# Altium PCB DIOT_Backplane.pcbdoc (part 8 of 11)
Units mm, origin at the board's own origin, x right, y up, seen from the top; angles counter-clockwise.
Board outline 304.8 x 128.5 mm, 14 copper layers (Top Layer, L2, L3GND, L4, L5GND, L6, L7GND, L8, L9GND, L10, L11GND, L12, L13GND, Bottom Layer), stack 4.06 mm thick; 141 components, 1224 nets, 5318 pads, 471 vias.
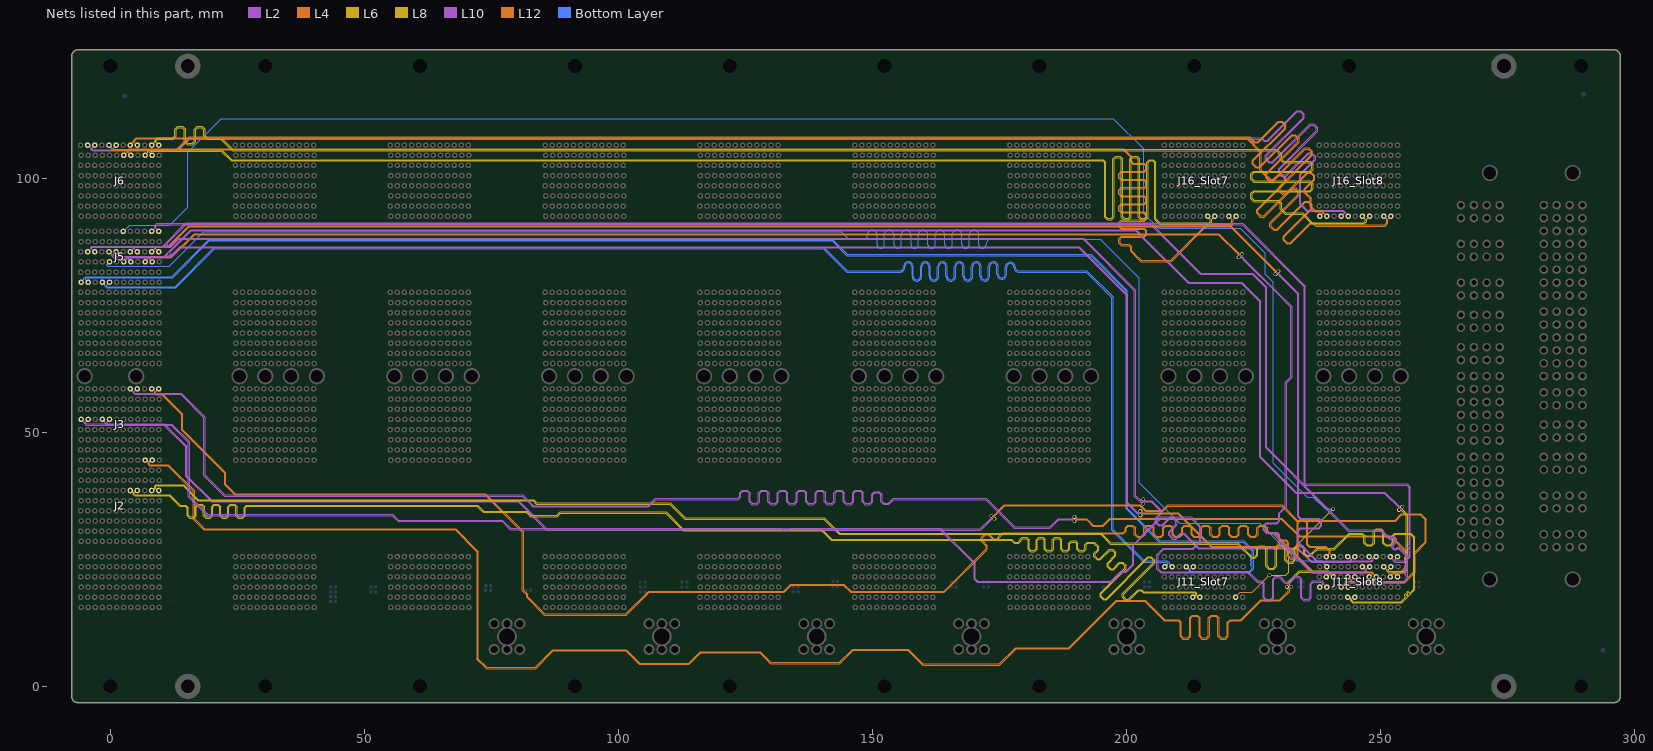
[diagram p20: the nets of this part, all layers, seen from the top]

## Via types
v1: diameter 0.75, hole 0.5, Top Layer to Bottom Layer, tented both sides, 429 vias
v2: diameter 0.85, hole 0.5, Top Layer to Bottom Layer, tented both sides, 32 vias
v3: diameter 1.3, hole 1, Top Layer to Bottom Layer, tented both sides, 10 vias

## Nets (pads, with @x,y where several pads share a name; then routed paths per layer and width w, separated by ;. In a path a pad name is that pad's centre, name@x,y a point inside that pad or via, vN(x,y) a via of type N, cw(c..) or ccw(c..) an arc to the next point about the centre after c; other vN are vias at no path point) (continued)
7_DIFF_13_N: J6.H7 J16_Slot7.K1 | length 290.8
  L12 w0.102: J6.H7@4.02,104.55 3.434,105.135 3.434,105.219 3.834,105.618 3.873,105.618 5.355,105.618 ; 5.356,105.618 6.42,105.618 199.372,105.618 200.14,104.85 200.811,104.179 200.811,103.605 200.811,103.264 201.288,102.787 203.45,102.787 203.793,102.444 203.793,101.758 203.45,101.415 199.002,101.415 198.525,100.938 198.525,100.062 199.002,99.585 203.45,99.585 203.793,99.242 203.793,98.556 203.45,98.213 199.002,98.213 198.525,97.736 198.525,96.86 199.002,96.383 203.45,96.383 203.793,96.04 203.793,95.354 203.45,95.011 199.002,95.011 198.525,94.534 198.525,93.658 199.002,93.181 203.45,93.181 203.793,92.838 203.793,92.152 203.45,91.809 199.002,91.809 198.525,91.332 198.525,90.456 199.002,89.979 203.45,89.979 203.793,89.636 203.793,88.95 203.45,88.607 199.002,88.607 198.525,88.13 198.525,87.254 199.002,86.777 200.468,86.777 200.811,86.434 200.811,86.316 200.811,85.655 202.278,84.188 202.845,83.621 208.811,83.621 215.942,90.752 219.304,90.752 220.692,90.752 220.995,91.055 220.995,91.964 J16_Slot7.K1@221.58,92.55
7_DIFF_13_P: J6.G7 J16_Slot7.J1 | length 290.8
  L12 w0.102: J6.G7@2.62,104.55 3.206,105.136 3.206,105.314 3.739,105.847 6.24,105.847 199.467,105.847 200.14,105.174 201.04,104.274 201.04,103.605 201.04,103.359 201.383,103.016 203.545,103.016 204.022,102.539 204.022,101.663 203.545,101.186 199.097,101.186 198.754,100.843 198.754,100.157 199.097,99.814 203.545,99.814 204.022,99.337 204.022,98.461 203.545,97.984 199.097,97.984 198.754,97.641 198.754,96.955 199.097,96.612 203.545,96.612 204.022,96.135 204.022,95.259 203.545,94.782 199.097,94.782 198.754,94.439 198.754,93.753 199.097,93.41 203.545,93.41 204.022,92.933 204.022,92.057 203.545,91.58 199.097,91.58 198.754,91.237 198.754,90.551 199.097,90.208 203.545,90.208 204.022,89.731 204.022,88.855 203.545,88.378 199.097,88.378 198.754,88.035 198.754,87.349 199.097,87.006 200.563,87.006 201.04,86.529 201.04,86.316 201.04,85.75 202.278,84.512 202.44,84.35 202.94,83.85 208.716,83.85 215.847,90.981 220.597,90.981 220.765,91.15 220.765,91.964 J16_Slot7.J1@220.18,92.55
7_DIFF_14_N: J6.K7 J16_Slot7.H1 | length 293.3
  L8 w0.12: J6.K7@8.22,104.55 7.655,105.115 7.655,105.22 7.798,105.362 21.833,105.362 23.764,103.432 192.84,103.432 192.94,103.432 195.347,103.432 195.695,103.084 195.695,92.358 196.2,91.853 197.119,91.853 197.624,92.358 197.624,103.751 197.972,104.098 198.667,104.098 199.014,103.751 199.014,92.358 199.52,91.853 200.438,91.853 200.944,92.358 200.944,103.751 201.291,104.098 201.986,104.098 202.334,103.751 202.334,92.358 202.839,91.853 203.758,91.853 204.264,92.358 204.264,103.084 204.611,103.432 204.75,103.432 205.158,103.432 205.54,103.05 205.54,91.923 205.974,91.489 206.452,91.011 216.459,91.011 216.815,91.368 216.815,91.985 J16_Slot7.H1@217.38,92.55
7_DIFF_14_P: J6.J7 J16_Slot7.G1 | length 293.3
  L8 w0.12: J6.J7@6.82,104.55 7.385,105.115 7.385,105.332 7.686,105.632 21.945,105.632 23.876,103.702 192.84,103.702 192.94,103.702 195.459,103.702 195.964,103.196 195.964,92.47 196.312,92.123 197.007,92.123 197.354,92.47 197.354,103.862 197.86,104.368 198.779,104.368 199.284,103.862 199.284,92.47 199.632,92.123 200.327,92.123 200.674,92.47 200.674,103.862 201.18,104.368 202.098,104.368 202.604,103.862 202.604,92.47 202.951,92.123 203.646,92.123 203.994,92.47 203.994,103.196 204.499,103.702 204.75,103.702 205.27,103.702 205.81,103.162 205.81,92.035 206.086,91.759 206.564,91.281 216.347,91.281 216.545,91.48 216.545,91.985 J16_Slot7.G1@215.98,92.55
7_DIFF_15_N: J2.I6 J11_Slot7.F2 | length 290.8
  L6 w0.102: J2.I6@5.32,38.55 5.059,38.55 4.735,38.226 4.735,37.842 4.869,37.707 11.683,37.707 13.34,36.05 13.74,35.65 13.923,35.65 14.849,35.65 15.326,35.173 15.326,33.707 15.669,33.364 16.355,33.364 16.698,33.707 16.698,35.381 17.175,35.858 18.051,35.858 18.528,35.381 18.528,33.707 18.871,33.364 19.557,33.364 19.9,33.707 19.9,35.381 20.377,35.858 21.253,35.858 21.73,35.381 21.73,33.707 22.073,33.364 22.759,33.364 23.102,33.707 23.102,35.381 23.579,35.858 24.455,35.858 24.932,35.381 24.932,33.707 25.275,33.364 25.961,33.364 26.304,33.707 26.304,35.173 26.781,35.65 26.994,35.65 72.283,35.65 72.69,35.243 73.479,34.454 81.941,34.454 82.295,34.1 82.745,33.65 87.821,33.65 88.521,34.35 104.514,34.35 109.395,34.35 112.896,30.849 140.121,30.849 142,28.97 177.407,28.97 177.991,28.386 178.375,28.386 178.686,28.386 179.029,28.729 179.029,28.839 179.506,29.316 180.382,29.316 180.859,28.839 180.859,27.088 181.202,26.745 181.888,26.745 182.231,27.088 182.231,28.839 182.708,29.316 183.584,29.316 184.061,28.839 184.061,27.088 184.404,26.745 185.09,26.745 185.433,27.088 185.433,28.839 185.91,29.316 186.786,29.316 187.263,28.839 187.263,27.088 187.606,26.745 188.292,26.745 188.635,27.088 188.635,28.148 189.112,28.625 189.988,28.625 190.465,28.148 190.465,27.088 190.808,26.745 191.494,26.745 191.837,27.088 191.837,27.908 192.314,28.386 192.527,28.386 193.634,28.386 193.863,28.157 194.545,27.475 194.545,26.8 193.82,26.076 193.82,25.591 194.305,25.106 194.79,25.106 196.652,26.967 197.326,26.967 197.946,26.348 197.946,25.673 196.424,24.151 196.424,23.666 196.909,23.181 197.394,23.181 198.631,24.418 199.305,24.418 199.925,23.799 199.925,23.124 195.039,18.238 195.039,17.753 195.524,17.268 196.009,17.268 204.243,25.502 204.918,25.502 205.537,24.883 205.537,24.208 199.427,18.098 199.427,17.613 199.912,17.128 200.397,17.128 202.307,19.038 202.982,19.038 203.133,18.887 203.362,18.658 213.576,18.658 213.894,18.34 213.894,17.874 214.219,17.55 J11_Slot7.F2@214.48,17.55
7_DIFF_15_P: J2.H6 J11_Slot7.E2 | length 290.8
  L6 w0.102: J2.H6@3.92,38.55 4.181,38.55 4.506,38.226 4.506,37.747 4.774,37.478 11.588,37.478 13.016,36.05 13.178,35.888 13.645,35.421 13.923,35.421 14.754,35.421 15.097,35.078 15.097,33.612 15.574,33.135 16.45,33.135 16.927,33.612 16.927,35.286 17.27,35.629 17.956,35.629 18.299,35.286 18.299,33.612 18.776,33.135 19.652,33.135 20.129,33.612 20.129,35.286 20.472,35.629 21.158,35.629 21.501,35.286 21.501,33.612 21.978,33.135 22.854,33.135 23.331,33.612 23.331,35.286 23.674,35.629 24.36,35.629 24.703,35.286 24.703,33.612 25.18,33.135 26.056,33.135 26.533,33.612 26.533,35.078 26.876,35.421 26.994,35.421 72.188,35.421 72.366,35.243 72.528,35.081 73.384,34.225 81.846,34.225 81.971,34.1 82.133,33.938 82.65,33.421 87.916,33.421 88.616,34.121 109.3,34.121 112.801,30.62 140.026,30.62 141.905,28.741 177.312,28.741 177.474,28.579 177.897,28.157 178.375,28.157 178.781,28.157 179.258,28.634 179.258,28.744 179.601,29.087 180.287,29.087 180.63,28.744 180.63,26.994 181.107,26.516 181.983,26.516 182.46,26.994 182.46,28.744 182.803,29.087 183.489,29.087 183.832,28.744 183.832,26.994 184.309,26.516 185.185,26.516 185.662,26.994 185.662,28.744 186.005,29.087 186.691,29.087 187.034,28.744 187.034,26.994 187.511,26.516 188.387,26.516 188.864,26.994 188.864,28.053 189.207,28.396 189.893,28.396 190.236,28.053 190.236,26.994 190.713,26.516 191.589,26.516 192.066,26.994 192.066,27.814 192.409,28.157 192.527,28.157 193.54,28.157 193.701,27.995 194.316,27.38 194.316,26.895 193.591,26.171 193.591,25.496 194.21,24.877 194.885,24.877 196.747,26.738 197.232,26.738 197.717,26.253 197.717,25.768 196.195,24.246 196.195,23.571 196.814,22.952 197.489,22.952 198.726,24.189 199.211,24.189 199.696,23.704 199.696,23.219 194.81,18.333 194.81,17.658 195.429,17.039 196.104,17.039 204.338,25.273 204.823,25.273 205.308,24.788 205.308,24.303 199.198,18.193 199.198,17.518 199.817,16.899 200.492,16.899 202.402,18.809 202.887,18.809 202.971,18.725 203.267,18.429 213.482,18.429 213.666,18.245 213.666,17.874 213.341,17.55 J11_Slot7.E2@213.08,17.55
7_MGT_Rx_N: J5.E1 J11_Slot7.B5 | length 302.2
  Bottom Layer w0.15: J5.E1@-0.18,79.55 -0.754,78.976 -0.754,78.805 -0.639,78.69 11.552,78.69 12.732,78.69 20.464,86.422 140.455,86.422 145.078,81.799 155.214,81.799 155.415,81.799 ccw(c155.415,82.509) 156.125,82.509 156.125,82.616 cw(c157.086,82.616) 157.086,83.577 cw(c157.086,82.616) 158.048,82.616 158.048,80.731 ccw(c158.758,80.731) 158.758,80.021 ccw(c158.758,80.731) 159.468,80.731 159.468,82.616 cw(c160.43,82.616) 160.43,83.577 cw(c160.43,82.616) 161.391,82.616 161.391,80.731 ccw(c162.101,80.731) 162.101,80.021 ccw(c162.101,80.731) 162.811,80.731 162.811,82.616 cw(c163.773,82.616) 163.773,83.577 cw(c163.773,82.616) 164.734,82.616 164.734,80.731 ccw(c165.444,80.731) 165.444,80.021 ccw(c165.444,80.731) 166.154,80.731 166.154,82.616 cw(c167.116,82.616) 167.116,83.577 cw(c167.116,82.616) 168.078,82.616 168.078,80.731 ccw(c168.788,80.731) 168.788,80.021 ccw(c168.788,80.731) 169.498,80.731 169.498,82.616 cw(c170.459,82.616) 170.459,83.577 cw(c170.459,82.616) 171.421,82.616 171.421,80.731 ccw(c172.131,80.731) 172.131,80.021 ccw(c172.131,80.731) 172.841,80.731 172.841,82.616 cw(c173.802,82.616) 173.802,83.577 cw(c173.802,82.616) 174.764,82.616 174.764,81.133 ccw(c175.474,81.133) 175.474,80.423 ccw(c175.474,81.133) 176.184,81.133 176.184,82.509 cw(c177.146,82.509) 177.146,83.471 cw(c177.146,82.509) 178.107,82.509 ccw(c178.817,82.509) 178.817,81.799 183.129,81.799 192.224,81.799 197.376,76.648 197.376,30.852 198.089,30.138 198.101,30.138 203.513,24.726 208.071,24.726 208.395,24.402 208.395,24.104 208.949,23.55 J11_Slot7.B5@208.98,23.55
7_MGT_Rx_P: J5.D1 J11_Slot7.A5 | length 302.2
  Bottom Layer w0.15: J5.D1@-1.58,79.55 -1.006,78.976 -1.006,78.701 -0.743,78.438 11.552,78.438 12.836,78.438 20.569,86.171 140.351,86.171 144.974,81.548 155.214,81.548 155.415,81.548 ccw(c155.415,82.509) 156.376,82.509 156.376,82.616 cw(c157.086,82.616) 157.086,83.326 cw(c157.086,82.616) 157.796,82.616 157.796,80.731 ccw(c158.758,80.731) 158.758,79.77 ccw(c158.758,80.731) 159.72,80.731 159.72,82.616 cw(c160.43,82.616) 160.43,83.326 cw(c160.43,82.616) 161.14,82.616 161.14,80.731 ccw(c162.101,80.731) 162.101,79.77 ccw(c162.101,80.731) 163.063,80.731 163.063,82.616 cw(c163.773,82.616) 163.773,83.326 cw(c163.773,82.616) 164.483,82.616 164.483,80.731 ccw(c165.444,80.731) 165.444,79.77 ccw(c165.444,80.731) 166.406,80.731 166.406,82.616 cw(c167.116,82.616) 167.116,83.326 cw(c167.116,82.616) 167.826,82.616 167.826,80.731 ccw(c168.788,80.731) 168.788,79.77 ccw(c168.788,80.731) 169.749,80.731 169.749,82.616 cw(c170.459,82.616) 170.459,83.326 cw(c170.459,82.616) 171.169,82.616 171.169,80.731 ccw(c172.131,80.731) 172.131,79.77 ccw(c172.131,80.731) 173.092,80.731 173.092,82.616 cw(c173.802,82.616) 173.802,83.326 cw(c173.802,82.616) 174.512,82.616 174.512,81.133 ccw(c175.474,81.133) 175.474,80.171 ccw(c175.474,81.133) 176.436,81.133 176.436,82.509 cw(c177.146,82.509) 177.146,83.219 cw(c177.146,82.509) 177.856,82.509 ccw(c178.817,82.509) 178.817,81.548 183.129,81.548 192.12,81.548 197.124,76.544 197.124,30.748 197.911,29.96 203.33,24.542 203.398,24.474 207.967,24.474 208.144,24.298 208.144,24.082 207.611,23.55 J11_Slot7.A5@207.58,23.55
7_MGT_Tx_N: J5.B1 J11_Slot7.E5 | length 302.6
  Bottom Layer w0.15: J5.B1@-4.38,79.55 -4.954,80.124 -4.954,80.244 -4.779,80.419 11.704,80.419 12.227,80.419 19.479,87.672 142.054,87.672 144.95,84.776 192.938,84.776 199.946,77.768 199.946,34.962 206.496,28.411 222.981,28.411 224.785,26.608 224.785,26.538 224.785,26.059 cw(c224.583,26.059) 224.583,25.857 224.479,25.857 ccw(c224.479,25.655) 224.277,25.655 ccw(c224.479,25.655) 224.479,25.453 224.583,25.453 cw(c224.583,25.251) 224.785,25.251 cw(c224.583,25.251) 224.583,25.049 224.544,25.049 ccw(c224.544,24.847) 224.342,24.847 ccw(c224.544,24.847) 224.544,24.645 224.583,24.645 cw(c224.583,24.443) 224.785,24.443 cw(c224.583,24.443) 224.583,24.241 ccw(c224.583,24.039) 224.381,24.039 ccw(c224.583,24.039) 224.583,23.837 cw(c224.583,23.635) 224.785,23.635 224.785,23.218 ; J11_Slot7.E5@213.18,23.55 213.104,23.55 212.606,23.052 212.606,22.789 212.694,22.701 224.281,22.701 224.785,23.205
7_MGT_Tx_P: J5.A1 J11_Slot7.D5 | length 302.7
  Bottom Layer w0.15: J5.A1@-5.78,79.55 -5.206,80.124 -5.206,80.349 -4.884,80.671 11.704,80.671 12.122,80.671 19.375,87.923 142.159,87.923 145.054,85.028 193.042,85.028 200.197,77.873 200.197,35.066 206.601,28.663 223.085,28.663 225.036,26.712 225.036,26.538 225.036,24.093 225.036,23.1 224.385,22.449 212.589,22.449 212.354,22.685 212.354,23.052 211.856,23.55 J11_Slot7.D5@211.78,23.55
7_SERVMOD: J5.G6 J11_Slot7.K2 | length 344.9
  L8 w0.102: v1(228.166,21.855) 231.386,21.855 231.973,22.442 231.973,26.17 v1(240.734,34.931)
  L12 w0.102: J11_Slot7.K2@221.48,17.55 222.407,18.477 224.787,18.477 v1(228.166,21.855)
  Bottom Layer w0.102: J5.G6@2.52,89.55 3.761,90.791 11.661,90.791 15.22,94.35 15.22,105.15 21.82,111.75 197.452,111.75 203.42,105.782 203.42,93.05 206.32,90.15 222.42,90.15 227.32,85.25 227.32,81.146 228.914,79.552 228.914,43.89 235.554,37.25 236.82,37.25 239.139,34.931 v1(240.734,34.931)
8_CLK_N: J5.L6 J11_Slot8.F4 | length 318
  L2 w0.102: J5.L6@9.52,89.55 8.934,90.136 8.934,90.589 9.24,90.895 9.831,90.895 222.775,90.895 234.991,78.679 234.991,39.255 243.673,30.574 250.111,30.574 250.929,29.757 251.045,29.64 ; J11_Slot8.F4@244.96,21.55 244.374,20.964 244.374,20.743 244.481,20.637 254.704,20.637 255.112,21.045 255.112,21.373 255.112,21.765 ccw(c254.934,21.765) 254.934,21.943 cw(c254.934,22.121) 254.756,22.121 cw(c254.934,22.121) 254.934,22.299 ccw(c254.934,22.477) 255.112,22.477 ccw(c254.934,22.477) 254.934,22.655 254.922,22.655 cw(c254.922,22.833) 254.744,22.833 cw(c254.922,22.833) 254.922,23.011 254.934,23.011 ccw(c254.934,23.189) 255.112,23.189 ccw(c254.934,23.189) 254.934,23.367 254.823,23.367 cw(c254.823,23.545) 254.645,23.545 cw(c254.823,23.545) 254.823,23.723 254.934,23.723 ccw(c254.934,23.901) 255.112,23.901 255.112,24.308 255.112,25.573 253.801,26.884 253.685,27 ccw(c253.47,26.788) 253.256,27.001 cw(c252.88,27.377) 252.504,27.002 252.322,27.184 cw(c252.697,27.561) 252.322,27.937 252.91,28.525 ; 251.046,29.639 251.548,29.138 ccw(c251.924,29.513) 252.3,29.137 cw(c252.514,28.923) 252.729,29.136 252.91,28.955 cw(c252.697,28.74) 252.911,28.526
8_CLK_P: J5.K6 J11_Slot8.E4 | length 318
  L2 w0.102: J5.K6@8.12,89.55 8.706,90.136 8.706,90.684 9.145,91.123 9.736,91.123 222.87,91.124 235.22,78.773 235.22,39.35 243.767,30.803 250.016,30.803 250.206,30.803 251.091,29.919 251.207,29.802 ; J11_Slot8.E4@243.56,21.55 244.145,20.964 244.145,20.648 244.386,20.408 254.799,20.408 255.341,20.95 255.341,25.668 253.963,27.046 253.846,27.163 ccw(c253.47,26.788) 253.845,27.164 253.812,27.197 253.809,27.197 ccw(c253.47,26.788) 253.095,27.164 ; 251.208,29.801 251.71,29.299 ccw(c251.924,29.513) 252.138,29.298 cw(c252.514,28.923) 252.853,29.332 252.856,29.332 252.889,29.3 cw(c252.514,28.923) 252.89,29.298 253.072,29.116 ; 252.484,27.346 cw(c252.697,27.561) 252.483,27.774 253.073,28.364 ccw(c252.697,28.74) 253.106,29.079 253.106,29.082 253.074,29.115 ccw(c252.697,28.74) 253.072,29.116 ; 252.484,27.346 252.666,27.164 ; 252.666,27.164 ccw(c252.88,27.377) 253.095,27.164
8_DIFF_0_N: J3.B5 J11_Slot8.E3 | length 309.3
  L10 w0.102: J3.B5@-4.38,52.55 -4.965,51.965 -4.965,51.844 -4.784,51.662 10.634,51.662 13.65,48.645 ; 13.644,48.651 15.057,47.239 15.057,41.492 20.01,36.539 80.342,36.539 85.878,31.002 171.247,31.002 173.38,33.135 173.38,33.593 v1@173.39,33.603
  L12 w0.102: v1@173.39,33.603 173.4,33.613 173.858,33.613 175.995,35.75 202.744,35.75 203.844,34.65 207.053,34.65 208.125,35.722 230.656,35.722 233.637,32.741 252.883,32.741 254.121,33.979 257.935,33.979 258.502,33.412 259.069,32.845 259.069,28.379 256.84,26.15 256.84,22.446 254.829,20.436 243.287,20.436 243.074,20.223 243.074,20.135 J11_Slot8.E3@243.66,19.55
  other v1: 173.397,33.574
8_DIFF_0_P: J3.A5 J11_Slot8.D3 | length 309.3
  L10 w0.102: J3.A5@-5.78,52.55 -5.195,51.965 -5.195,51.749 -4.879,51.433 10.539,51.433 14.828,47.144 14.828,41.397 19.915,36.31 80.247,36.31 85.783,30.773 171.342,30.773 173.542,32.973 174,32.973 v1(174.01,32.983)
  L12 w0.102: v1(174.01,32.983) 174.02,32.993 174.02,33.451 176.09,35.521 202.649,35.521 203.482,34.688 203.749,34.421 207.148,34.421 208.22,35.493 230.561,35.493 233.542,32.512 252.978,32.512 254.216,33.75 257.84,33.75 258.178,33.412 258.34,33.25 258.84,32.75 258.84,28.474 256.611,26.245 256.611,22.541 254.734,20.665 243.193,20.665 242.846,20.317 242.846,20.135 J11_Slot8.D3@242.26,19.55
8_DIFF_1_N: J3.E5 J11_Slot8.B3 | length 310.9
  L2 w0.102: J3.E5@-0.18,52.55 -0.766,51.965 -0.766,51.885 -0.491,51.611 8.707,51.611 12.119,51.611 15.59,48.14 15.59,37.447 19.191,33.847 55.563,33.847 56.706,32.704 77.179,32.704 78.804,31.078 132.132,31.078 ccw(c132.509,31.699) 132.872,31.071 133.025,31.071 ccw(c133.36,31.715) 133.709,31.078 163.366,31.078 170.251,24.193 170.251,21.222 170.774,20.7 196.928,20.7 197.797,21.569 198.893,22.665 199.85,22.665 201.211,24.026 201.211,27.821 206.74,33.35 212.74,33.35 214.669,31.421 214.669,28.479 213.14,26.95 207.34,26.95 206.24,25.85 206.24,23.15 206.823,22.567 224.023,22.567 224.945,21.645 225.827,20.763 226.15,20.763 226.6,20.763 227.14,20.222 227.14,17.506 227.547,17.099 228.36,17.099 228.766,17.506 228.766,21.107 229.307,21.648 230.31,21.648 230.85,21.107 230.85,20.959 231.257,20.552 232.07,20.552 232.476,20.959 232.476,21.107 233.017,21.648 234.02,21.648 234.56,21.107 234.56,17.506 234.967,17.099 235.78,17.099 236.186,17.506 236.186,20.222 236.727,20.763 236.94,20.763 238.459,20.763 238.875,20.348 238.875,20.136 J11_Slot8.B3@239.46,19.55
8_DIFF_1_P: J3.D5 J11_Slot8.A3 | length 310.9
  L2 w0.102: J3.D5@-1.58,52.55 -0.994,51.965 -0.994,51.791 -0.586,51.382 12.024,51.382 15.361,48.046 15.361,37.352 19.096,33.618 55.469,33.618 56.612,32.475 77.084,32.475 78.201,31.357 78.363,31.195 78.71,30.849 132.073,30.849 ccw(c132.509,31.699) 132.91,30.832 cw(c132.952,30.74) 132.993,30.833 132.996,30.832 ccw(c133.36,31.715) 133.764,30.849 163.271,30.849 170.022,24.098 170.022,21.128 170.679,20.471 197.023,20.471 197.959,21.407 198.987,22.435 199.85,22.435 199.945,22.436 201.44,23.931 201.44,27.726 206.835,33.121 212.645,33.121 214.44,31.326 214.44,28.574 213.045,27.179 207.245,27.179 206.011,25.945 206.011,23.055 206.631,22.435 206.728,22.338 223.928,22.338 224.716,21.55 225.732,20.534 226.15,20.534 226.505,20.534 226.911,20.127 226.911,17.411 227.452,16.87 228.455,16.87 228.995,17.411 228.995,21.012 229.402,21.419 230.215,21.419 230.621,21.012 230.621,20.864 231.162,20.323 232.165,20.323 232.705,20.864 232.705,21.012 233.112,21.419 233.925,21.419 234.331,21.012 234.331,17.411 234.872,16.87 235.875,16.87 236.415,17.411 236.415,20.127 236.822,20.534 236.94,20.534 238.364,20.534 238.645,20.253 238.645,20.136 J11_Slot8.A3@238.06,19.55
8_DIFF_2_N: J3.K1 J11_Slot8.C4 | length 307.9
  L8 w0.12: v1@231.564,19.602 231.564,19.668 231.863,19.967 231.863,20.593 233.499,22.229 ; 233.499,22.229 233.99,22.72 239.778,22.72 240.195,22.303 240.195,21.95 240.595,21.55 J11_Slot8.C4@240.76,21.55
  L12 w0.102: J3.K1@8.22,44.55 7.959,44.55 7.635,44.226 7.635,43.79 7.774,43.651 11.393,43.651 16.556,38.488 16.556,32.957 17.843,31.67 18.486,31.027 67.933,31.027 72.435,26.525 72.435,5.348 73.875,3.908 74.061,3.722 83.586,3.722 87.117,7.253 101.512,7.253 104.204,4.56 113.863,4.56 116.149,6.847 127.877,6.847 130.011,4.713 143.505,4.713 146.096,7.304 157.061,7.304 159.957,4.408 175.001,4.408 178.201,7.609 188.641,7.609 198.013,16.981 203.721,16.981 207.557,13.146 208.204,13.146 210.272,13.146 210.813,12.605 210.813,9.944 211.22,9.537 212.033,9.537 212.439,9.944 212.439,13.485 212.98,14.025 213.982,14.025 214.523,13.485 214.523,9.944 214.93,9.537 215.743,9.537 216.149,9.944 216.149,13.485 216.69,14.025 217.692,14.025 218.233,13.485 218.233,9.944 218.64,9.537 219.453,9.537 219.859,9.944 219.859,12.605 220.4,13.146 222.349,13.146 222.48,13.146 226.417,17.083 230.221,17.083 231.884,18.746 231.884,19.259 231.56,19.583 v1@231.56,19.597
  other v1: 231.585,19.582
8_DIFF_2_P: J3.J1 J11_Slot8.B4 | length 307.7
  L8 w0.12: v1(232.437,19.597) 232.133,19.901 232.133,20.481 233.611,21.959 234.102,22.45 239.666,22.45 239.925,22.191 239.925,21.95 239.525,21.55 J11_Slot8.B4@239.36,21.55
  L12 w0.102: J3.J1@6.82,44.55 7.081,44.55 7.406,44.226 7.406,43.695 7.679,43.422 11.298,43.422 12.796,41.924 12.958,41.762 16.327,38.393 16.327,32.862 17.614,31.575 18.391,30.798 67.838,30.798 71.607,27.03 72.206,26.43 72.206,5.253 73.646,3.813 73.966,3.493 83.681,3.493 87.212,7.024 101.417,7.024 102.687,5.754 102.849,5.592 104.11,4.331 113.958,4.331 116.244,6.618 127.782,6.618 129.001,5.399 129.163,5.237 129.916,4.484 143.599,4.484 146.191,7.075 156.967,7.075 158.846,5.195 159.008,5.033 159.863,4.179 175.095,4.179 178.296,7.38 188.736,7.38 198.108,16.752 203.626,16.752 205.608,14.771 205.77,14.609 207.462,12.917 208.204,12.917 210.178,12.917 210.584,12.51 210.584,9.849 211.125,9.308 212.127,9.308 212.668,9.849 212.668,13.39 213.075,13.796 213.888,13.796 214.294,13.39 214.294,9.849 214.835,9.308 215.837,9.308 216.378,9.849 216.378,13.39 216.785,13.796 217.598,13.796 218.004,13.39 218.004,9.849 218.545,9.308 219.547,9.308 220.088,9.849 220.088,12.51 220.495,12.917 222.349,12.917 222.574,12.917 226.512,16.854 230.315,16.854 232.113,18.651 232.113,19.259 232.437,19.583 v1(232.437,19.597)
8_DIFF_3_N: J3.I8 J11_Slot8.L4 | length 313.3
  L2 w0.102: J3.I8@5.32,58.55 4.734,57.965 4.734,57.841 4.893,57.682 13.897,57.682 18.638,52.941 18.638,41.543 22.499,37.682 81.192,37.682 83.275,35.599 105.865,35.599 107.245,36.979 123.336,36.979 123.454,36.979 123.861,37.385 123.861,38.064 124.401,38.605 125.404,38.605 125.945,38.064 125.945,36.431 126.351,36.025 127.164,36.025 127.571,36.431 127.571,38.064 128.111,38.605 129.114,38.605 129.655,38.064 129.655,36.431 130.061,36.025 130.874,36.025 131.281,36.431 131.281,38.064 131.821,38.605 132.824,38.605 133.365,38.064 133.365,36.431 133.771,36.025 134.584,36.025 134.991,36.431 134.991,38.064 135.531,38.605 136.534,38.605 137.075,38.064 137.075,36.431 137.481,36.025 138.294,36.025 138.701,36.431 138.701,38.064 139.241,38.605 140.244,38.605 140.785,38.064 140.785,36.431 141.191,36.025 142.004,36.025 142.411,36.431 142.411,38.064 142.951,38.605 143.954,38.605 144.495,38.064 144.495,36.431 144.901,36.025 145.714,36.025 146.121,36.431 146.121,38.064 146.661,38.605 147.664,38.605 148.205,38.064 148.205,36.431 148.611,36.025 149.424,36.025 149.831,36.431 149.831,37.795 150.371,38.336 151.374,38.336 151.915,37.795 151.915,36.438 152.321,36.032 153.134,36.032 153.541,36.438 154.081,36.979 156.379,36.979 172.391,36.979 176.22,33.15 177.987,31.383 184.932,31.383 186.577,33.028 189.42,33.028 189.744,33.352 v1(189.758,33.352)
  L12 w0.102: v1(189.758,33.352) 189.772,33.352 190.096,33.028 192.221,33.028 193.511,31.738 195.321,31.738 196.699,33.117 230.619,33.117 234.096,29.64 252.086,29.64 255.255,26.472 255.255,23.425 254.215,22.386 252.937,22.386 252.775,22.223 252.775,22.136 J11_Slot8.L4@253.36,21.55
8_DIFF_3_P: J3.H8 J11_Slot8.K4 | length 313.3
  L2 w0.102: J3.H8@3.92,58.55 4.506,57.965 4.506,57.746 4.799,57.453 13.803,57.453 18.409,52.846 18.409,41.448 22.404,37.453 81.097,37.453 82.503,36.047 83.18,35.37 105.96,35.37 107.34,36.75 123.336,36.75 123.549,36.75 124.09,37.291 124.09,37.969 124.496,38.376 125.309,38.376 125.716,37.969 125.716,36.337 126.256,35.796 127.259,35.796 127.8,36.337 127.8,37.969 128.206,38.376 129.019,38.376 129.426,37.969 129.426,36.337 129.966,35.796 130.969,35.796 131.51,36.337 131.51,37.969 131.916,38.376 132.729,38.376 133.136,37.969 133.136,36.337 133.676,35.796 134.679,35.796 135.22,36.337 135.22,37.969 135.626,38.376 136.439,38.376 136.846,37.969 136.846,36.337 137.386,35.796 138.389,35.796 138.93,36.337 138.93,37.969 139.336,38.376 140.149,38.376 140.556,37.969 140.556,36.337 141.096,35.796 142.099,35.796 142.64,36.337 142.64,37.969 143.046,38.376 143.859,38.376 144.266,37.969 144.266,36.337 144.806,35.796 145.809,35.796 146.35,36.337 146.35,37.969 146.756,38.376 147.569,38.376 147.976,37.969 147.976,36.337 148.516,35.796 149.519,35.796 150.06,36.337 150.06,37.701 150.466,38.107 151.279,38.107 151.686,37.701 151.686,36.343 152.226,35.803 153.229,35.803 153.77,36.343 154.176,36.75 156.379,36.75 172.296,36.75 175.896,33.15 176.058,32.988 177.892,31.154 185.027,31.154 186.672,32.799 189.42,32.799 189.744,32.475 v1@189.758,32.475
  L12 w0.102: v1@189.772,32.475 190.096,32.799 192.126,32.799 192.273,32.653 193.416,31.509 195.415,31.509 196.794,32.888 230.525,32.888 234.001,29.411 251.991,29.411 255.025,26.377 255.025,23.52 254.12,22.615 252.843,22.615 252.545,22.317 252.545,22.136 J11_Slot8.K4@251.96,21.55
  other v1: 189.774,32.5
8_DIFF_4_N: J3.L8 J11_Slot8.I4 | length 308.9
  L12 w0.102: J3.L8@9.52,58.55 8.934,57.964 8.934,57.704 8.994,57.644 10.18,57.644 14.253,53.571 14.253,50.5 22.702,42.051 22.702,39.79 24.531,37.961 73.782,37.961 81.326,30.417 81.326,18.936 82.163,18.099 82.163,17.61 85.509,14.265 101.493,14.265 105.943,18.715 132.513,18.715 133.942,20.144 144.39,20.144 145.819,18.715 164.093,18.715 172.333,26.955 172.416,27.038 172.416,27.613 171.469,28.56 171.469,29.324 172.179,30.033 172.943,30.033 173.89,29.087 174.465,29.087 175.304,29.926 175.628,30.25 199.204,30.25 199.323,30.25 199.729,30.656 199.729,31.18 200.27,31.721 201.272,31.721 201.813,31.18 201.813,29.959 202.22,29.553 203.033,29.553 203.439,29.959 203.439,31.18 203.98,31.721 204.982,31.721 205.523,31.18 205.523,29.959 205.93,29.553 206.743,29.553 207.149,29.959 207.149,31.18 207.69,31.721 208.692,31.721 209.233,31.18 209.233,29.959 209.64,29.553 210.453,29.553 210.859,29.959 210.859,31.18 211.4,31.721 212.402,31.721 212.943,31.18 212.943,29.959 213.35,29.553 214.163,29.553 214.569,29.959 214.569,31.18 215.11,31.721 216.112,31.721 216.653,31.18 216.653,29.959 217.059,29.553 217.873,29.553 218.279,29.959 218.279,31.18 218.82,31.721 219.822,31.721 220.363,31.18 220.363,29.959 220.769,29.553 221.582,29.553 221.989,29.959 221.989,31.18 222.53,31.721 223.532,31.721 224.073,31.18 224.073,29.959 224.479,29.553 225.292,29.553 225.699,29.959 225.699,31.18 226.24,31.721 227.242,31.721 227.783,31.18 227.783,30.656 228.189,30.25 229.052,30.25 229.099,30.203 236.733,22.569 248.381,22.569 248.574,22.375 248.574,22.136 J11_Slot8.I4@249.16,21.55
8_DIFF_4_P: J3.K8 J11_Slot8.H4 | length 308.9
  L12 w0.102: J3.K8@8.12,58.55 8.705,57.965 8.705,57.609 8.899,57.415 10.085,57.415 14.024,53.476 14.024,50.405 22.473,41.956 22.473,39.695 24.436,37.732 73.687,37.732 81.097,30.322 81.097,18.842 81.934,18.004 81.934,17.515 85.414,14.036 101.587,14.036 106.037,18.486 132.608,18.486 134.037,19.915 144.295,19.915 145.724,18.486 164.187,18.486 172.495,26.793 172.645,26.943 172.645,27.708 171.698,28.655 171.698,29.229 172.273,29.804 172.848,29.804 173.795,28.858 174.56,28.858 175.466,29.764 175.723,30.021 199.204,30.021 199.417,30.021 199.958,30.562 199.958,31.085 200.365,31.492 201.178,31.492 201.584,31.085 201.584,29.864 202.125,29.324 203.127,29.324 203.668,29.864 203.668,31.085 204.075,31.492 204.888,31.492 205.294,31.085 205.294,29.864 205.835,29.324 206.837,29.324 207.378,29.864 207.378,31.085 207.785,31.492 208.598,31.492 209.004,31.085 209.004,29.864 209.545,29.324 210.547,29.324 211.088,29.864 211.088,31.085 211.495,31.492 212.308,31.492 212.714,31.085 212.714,29.864 213.255,29.324 214.257,29.324 214.798,29.864 214.798,31.085 215.205,31.492 216.018,31.492 216.424,31.085 216.424,29.864 216.965,29.324 217.967,29.324 218.508,29.864 218.508,31.085 218.914,31.492 219.728,31.492 220.134,31.085 220.134,29.864 220.675,29.324 221.677,29.324 222.218,29.864 222.218,31.085 222.624,31.492 223.437,31.492 223.844,31.085 223.844,29.864 224.385,29.324 225.387,29.324 225.928,29.864 225.928,31.085 226.334,31.492 227.147,31.492 227.554,31.085 227.554,30.562 228.095,30.021 228.957,30.021 229.099,29.879 236.254,22.724 236.638,22.34 248.286,22.34 248.346,22.28 248.346,22.136 J11_Slot8.H4@247.76,21.55
8_DIFF_5_N: J5.H3 J11_Slot8.K5 | length 313.3
  L8 w0.12: J11_Slot8.K5@252.06,23.55 251.495,22.985 251.495,22.839 251.683,22.65 254.594,22.65 255.135,23.191 255.135,23.675 255.135,24.07 ccw(c254.948,24.07) 254.948,24.257 cw(c254.948,24.444) 254.948,24.631 ; v1@253.628,34.72 253.667,34.68 254.113,34.68 255.135,33.658 255.135,26 255.135,25.566 cw(c254.948,25.566) 254.948,25.379 254.898,25.379 ccw(c254.898,25.192) 254.898,25.005 254.948,25.005 cw(c254.948,24.818) 254.948,24.631
  L10 w0.102: J5.H3@4.02,83.55 3.434,84.136 3.434,84.213 3.674,84.453 10.409,84.453 10.672,84.453 10.895,84.675 11.182,84.963 cw(c11.308,84.837) 11.434,84.963 11.542,84.856 ccw(c11.667,84.982) 11.793,84.856 ccw(c11.667,84.982) 11.793,85.107 11.686,85.215 cw(c11.812,85.341) 11.686,85.467 11.895,85.675 15.895,89.676 201.794,89.676 203.72,87.75 212.149,79.321 222.637,79.321 226.22,75.738 226.22,45.126 233.325,38.021 250.801,38.021 253.611,35.211 253.611,34.736 v1@253.628,34.72
  other v1: 253.673,34.743
8_DIFF_5_P: J5.G3 J11_Slot8.J5 | length 313.3
  L8 w0.12: J11_Slot8.J5@250.66,23.55 251.225,22.985 251.225,22.727 251.571,22.38 254.706,22.38 255.405,23.079 255.405,33.77 254.304,34.871 254.304,35.317 v1(254.265,35.356)
  L10 w0.102: J5.G3@2.62,83.55 3.206,84.136 3.206,84.308 3.579,84.682 10.577,84.682 15.8,89.905 201.889,89.905 204.044,87.75 212.244,79.55 222.732,79.55 226.449,75.833 226.449,45.221 233.42,38.25 250.896,38.25 253.79,35.356 v1(254.265,35.356)
8_DIFF_6_N: J5.K3 J11_Slot8.H5 | length 307
  L2 w0.102: v1(222.092,84.483) 222.12,84.455 222.561,84.455 223.233,83.783 229.355,77.66 232.391,74.625 232.391,60.921 231.29,59.82 231.29,35.42 229.991,34.121 229.991,33.245 229.991,32.644 229.585,32.237 227.48,32.237 226.94,31.697 226.94,30.695 227.48,30.155 229.585,30.155 229.991,29.748 229.991,29.63 229.991,28.755 231.891,26.855 233.758,24.988 236.411,22.335 246.883,22.335 247.275,22.727 247.275,23.226 247.599,23.55 J11_Slot8.H5@247.86,23.55
  L4 w0.102: J5.K3@8.22,83.55 7.635,84.136 7.635,84.248 7.814,84.428 9.647,84.428 12.114,84.428 16.599,88.913 218.102,88.913 222.065,84.951 222.065,84.511 v1(222.092,84.483)
8_DIFF_6_P: J5.J3 J11_Slot8.G5 | length 307
  L2 w0.102: v1(222.695,85.085) 222.722,85.058 222.722,84.617 223.327,84.012 229.517,77.822 232.62,74.719 232.62,60.827 231.519,59.726 231.519,35.326 230.22,34.027 230.22,33.245 230.22,32.549 229.68,32.009 227.575,32.009 227.169,31.602 227.169,30.79 227.575,30.383 229.68,30.383 230.22,29.843 230.22,29.63 230.22,28.85 232.12,26.95 233.758,25.312 233.92,25.15 236.506,22.564 246.788,22.564 247.046,22.822 247.046,23.226 246.721,23.55 J11_Slot8.G5@246.46,23.55
  L4 w0.102: J5.J3@6.82,83.55 7.405,84.136 7.405,84.343 7.72,84.657 12.019,84.657 16.505,89.142 218.197,89.142 222.226,85.113 222.667,85.113 v1(222.695,85.085)
8_DIFF_7_N: J5.C4 J11_Slot8.F6 | length 309.5
  L2 w0.102: J5.C4@-3.08,85.55 -3.665,86.135 -3.665,86.308 -3.565,86.409 11.018,86.409 11.911,86.409 13.475,87.974 191.46,87.974 201.591,77.843 201.591,37.46 202.79,36.261 202.969,36.261 203.281,35.95 v1(203.32,35.95)
  L10 w0.102: v1(203.32,35.95) 203.356,35.95 203.711,36.305 204.918,36.305 206.212,35.012 206.296,34.928 206.612,34.612 206.612,34.037 205.665,33.09 205.665,32.326 206.374,31.617 207.139,31.617 208.586,33.064 209.161,33.064 209.736,32.489 209.736,31.914 208.289,30.467 208.289,29.702 208.998,28.993 209.762,28.993 210.709,29.94 211.284,29.94 211.367,29.856 214.134,27.09 233.675,27.09 236.342,24.423 244.056,24.423 244.374,24.741 244.374,24.99 244.935,25.55 J11_Slot8.F6@244.96,25.55
8_DIFF_7_P: J5.B4 J11_Slot8.E6 | length 309.5
  L2 w0.102: J5.B4@-4.48,85.55 -3.895,86.135 -3.895,86.403 -3.66,86.638 11.816,86.638 13.38,88.203 191.555,88.203 201.82,77.938 201.82,37.555 202.885,36.49 202.969,36.49 203.281,36.802 v1(203.32,36.802)
  L10 w0.102: v1(203.32,36.802) 203.441,36.802 203.709,36.534 205.013,36.534 206.374,35.173 206.458,35.09 206.841,34.707 206.841,33.942 205.894,32.995 205.894,32.42 206.469,31.846 207.044,31.846 208.491,33.293 209.256,33.293 209.965,32.584 209.965,31.819 208.518,30.372 208.518,29.797 209.093,29.222 209.667,29.222 210.614,30.169 211.379,30.169 211.446,30.102 211.529,30.018 214.229,27.319 233.77,27.319 236.437,24.652 243.927,24.652 244.145,24.87 244.145,24.99 243.585,25.55 J11_Slot8.E6@243.56,25.55
8_DIFF_8_N: J5.F4 J11_Slot8.C6 | length 307.2
  L2 w0.102: J5.F4@1.12,85.55 0.534,84.965 0.534,84.866 0.753,84.648 10.409,84.648 11.756,84.647 13.685,86.577 190.742,86.577 200.299,77.02 200.299,36.126 202.24,34.185 202.402,34.185 202.713,34.497 v1(202.752,34.497)
  L4 w0.102: v1(202.752,34.497) 202.792,34.497 203.103,34.185 210.197,34.185 214.472,29.91 216.809,27.573 229.388,27.573 229.506,27.573 229.912,27.98 229.912,28.306 230.453,28.846 231.456,28.846 231.996,28.306 231.996,25.694 232.403,25.287 233.216,25.287 233.622,25.694 233.622,32.245 234.163,32.786 235.166,32.786 235.706,32.245 235.706,27.98 236.113,27.573 237.388,27.573 239.253,27.573 240.174,26.652 240.174,26.136 J11_Slot8.C6@240.76,25.55
8_DIFF_8_P: J5.E4 J11_Slot8.B6 | length 307.2
  L2 w0.102: J5.E4@-0.28,85.55 0.306,84.965 0.306,84.771 0.658,84.419 11.851,84.419 13.78,86.348 190.647,86.348 192.384,84.612 200.07,76.925 200.07,36.031 202.145,33.956 202.402,33.956 202.713,33.645 v1(202.752,33.645)
  L4 w0.102: v1(202.752,33.645) 202.792,33.645 203.103,33.956 210.102,33.956 214.148,29.91 214.31,29.748 216.714,27.344 229.388,27.344 229.601,27.344 230.141,27.885 230.141,28.211 230.548,28.617 231.361,28.617 231.767,28.211 231.767,25.599 232.308,25.058 233.311,25.058 233.851,25.599 233.851,32.15 234.258,32.557 235.071,32.557 235.477,32.15 235.477,27.885 236.018,27.344 237.388,27.344 239.158,27.344 239.945,26.557 239.945,26.136 J11_Slot8.B6@239.36,25.55
8_DIFF_9_N: J5.I4 J11_Slot8.L6 | length 313.2
  L10 w0.102: J5.I4@5.32,85.55 4.734,86.135 4.734,86.25 4.919,86.434 10.383,86.434 10.43,86.481 10.718,86.769 cw(c10.844,86.643) 10.97,86.769 10.973,86.766 ccw(c11.098,86.892) 11.224,86.766 ccw(c11.098,86.892) 11.224,87.018 11.221,87.021 cw(c11.347,87.147) 11.221,87.273 11.709,87.761 14.945,90.997 204.673,90.997 208.62,87.05 214.549,81.121 224.749,81.121 225.72,80.15 227.42,78.45 227.42,46.926 230.658,43.688 234.725,39.621 255.205,39.621 255.684,39.143 255.684,36.768 255.683,28.138 255.678,28.088 255.661,28.04 255.634,27.998 255.599,27.962 255.556,27.935 255.509,27.919 255.459,27.913 255.434,27.913 255.384,27.907 255.336,27.891 255.293,27.864 255.258,27.828 255.231,27.786 255.214,27.738 255.209,27.688 255.214,27.638 255.231,27.59 255.258,27.548 255.293,27.512 255.336,27.485 255.384,27.469 255.434,27.463 255.459,27.463 255.509,27.457 255.556,27.441 255.599,27.414 255.634,27.378 255.661,27.336 255.678,27.288 255.683,27.238 255.678,27.188 255.661,27.14 255.634,27.098 255.599,27.062 255.556,27.035 255.509,27.019 255.459,27.013 255.434,27.013 255.384,27.007 255.336,26.991 255.293,26.964 255.258,26.928 255.231,26.886 255.214,26.838 255.209,26.788 255.214,26.738 255.231,26.69 255.258,26.648 255.293,26.612 255.336,26.585 255.384,26.569 255.434,26.563 255.459,26.563 255.509,26.557 255.556,26.541 255.599,26.514 255.634,26.478 255.661,26.436 255.678,26.388 255.683,26.338 255.683,25.585 254.785,24.687 252.874,24.687 252.775,24.786 252.775,24.965 J11_Slot8.L6@253.36,25.55
8_DIFF_9_P: J5.H4 J11_Slot8.K6 | length 313.2
  L10 w0.102: J5.H4@3.92,85.55 4.506,86.135 4.506,86.345 4.824,86.663 10.288,86.663 14.851,91.226 204.768,91.226 208.944,87.05 214.644,81.35 224.844,81.35 226.044,80.15 227.649,78.545 227.649,47.021 230.982,43.688 234.82,39.85 255.3,39.85 255.913,39.238 255.913,25.491 254.88,24.458 252.779,24.458 252.545,24.692 252.545,24.965 J11_Slot8.K6@251.96,25.55
8_DIFF_10_N: J5.L4 J11_Slot8.I6 | length 307.9
  L2 w0.102: v1(229.331,81.116) 229.359,81.088 229.799,81.088 233.691,77.197 233.691,33.638 233.691,33.425 234.232,32.885 237.852,32.885 238.258,32.478 238.258,31.665 237.852,31.259 234.232,31.259 233.691,30.718 233.691,28.85 233.691,28.249 237.443,24.496 248.248,24.496 248.575,24.822 248.575,25.226 248.899,25.55 J11_Slot8.I6@249.16,25.55
  L4 w0.102: J5.L4@9.52,85.55 8.935,86.135 8.935,86.284 9.059,86.409 11.434,86.409 15.489,90.463 220.425,90.463 229.303,81.584 229.303,81.144 v1(229.331,81.116)
8_DIFF_10_P: J5.K4 J11_Slot8.H6 | length 307.9
  L2 w0.102: v1(229.934,81.718) 229.961,81.691 229.961,81.25 233.92,77.292 233.92,33.638 233.92,33.52 234.326,33.114 237.946,33.114 238.487,32.573 238.487,31.57 237.946,31.03 234.326,31.03 233.92,30.623 233.92,28.85 233.92,28.343 237.538,24.725 248.153,24.725 248.346,24.917 248.346,25.226 248.021,25.55 J11_Slot8.H6@247.76,25.55
  L4 w0.102: J5.K4@8.12,85.55 8.705,86.135 8.705,86.379 8.964,86.638 11.339,86.638 15.394,90.692 220.519,90.692 229.465,81.746 229.906,81.746 v1(229.934,81.718)
8_DIFF_11_N: J6.C8 J16_Slot8.E1 | length 311.2
  L10 w0.102: J6.C8@-3.08,106.55 -3.665,105.964 -3.665,105.869 -3.472,105.676 13.121,105.676 15.395,107.95 226.744,107.95 227.068,107.626 227.152,107.542 227.726,107.542 233.522,113.338 234.287,113.338 234.996,112.629 234.996,111.865 227.584,104.452 227.584,103.877 228.158,103.302 228.733,103.302 236.146,110.715 236.91,110.715 237.619,110.006 237.619,109.241 230.207,101.829 230.207,101.254 230.782,100.679 231.357,100.679 235.764,105.087 236.529,105.087 237.238,104.378 237.238,103.613 234.314,100.689 234.314,99.624 234.314,95.038 235.627,93.725 242.663,93.725 243.074,93.313 243.074,93.136 J16_Slot8.E1@243.66,92.55
8_DIFF_11_P: J6.B8 J16_Slot8.D1 | length 311.2
  L10 w0.102: J6.B8@-4.48,106.55 -3.895,105.964 -3.895,105.775 -3.567,105.447 13.216,105.447 15.49,107.721 226.649,107.721 226.906,107.464 227.057,107.313 227.821,107.313 233.617,113.109 234.192,113.109 234.767,112.534 234.767,111.96 227.355,104.547 227.355,103.782 228.064,103.073 228.828,103.073 236.241,110.486 236.816,110.486 237.39,109.911 237.39,109.336 229.978,101.924 229.978,101.159 230.687,100.45 231.452,100.45 235.859,104.858 236.434,104.858 237.009,104.283 237.009,103.708 234.085,100.784 234.085,99.395 234.085,94.943 235.532,93.496 242.568,93.496 242.846,93.218 242.846,93.136 J16_Slot8.D1@242.26,92.55
8_DIFF_12_N: J6.F8 J16_Slot8.B1 | length 310.9
  L4 w0.102: J6.F8@1.12,106.55 0.534,105.964 0.534,105.83 0.652,105.713 13.079,105.713 15.517,108.152 195.52,108.152 224.342,108.152 225.198,107.296 225.282,107.212 225.856,107.212 229.892,111.247 230.656,111.247 231.365,110.538 231.365,109.774 225.012,103.42 225.012,102.846 225.587,102.271 226.162,102.271 232.515,108.624 233.28,108.624 233.989,107.915 233.989,107.15 227.635,100.797 227.635,100.222 228.21,99.647 228.785,99.647 235.138,106.001 235.903,106.001 236.612,105.292 236.612,104.527 230.259,98.174 230.259,97.599 230.833,97.024 231.408,97.024 235.618,101.233 236.382,101.233 237.091,100.524 237.091,99.76 235.2,97.869 235.2,97.294 236.35,96.144 236.369,96.125 236.369,94.456 237.151,93.674 238.523,93.674 238.875,93.322 238.875,93.136 J16_Slot8.B1@239.46,92.55
8_DIFF_12_P: J6.E8 J16_Slot8.A1 | length 310.9
  L4 w0.102: J6.E8@-0.28,106.55 0.306,105.964 0.306,105.736 0.557,105.484 13.174,105.484 15.612,107.923 224.247,107.923 225.036,107.134 225.187,106.983 225.951,106.983 229.986,111.018 230.561,111.018 231.136,110.444 231.136,109.869 224.783,103.515 224.783,102.751 225.492,102.042 226.256,102.042 232.61,108.395 233.185,108.395 233.76,107.82 233.76,107.245 227.406,100.892 227.406,100.127 228.115,99.418 228.88,99.418 235.233,105.772 235.808,105.772 236.383,105.197 236.383,104.622 230.03,98.269 230.03,97.504 230.739,96.795 231.503,96.795 235.713,101.004 236.288,101.004 236.862,100.43 236.862,99.855 234.971,97.963 234.971,97.199 236.14,96.03 236.14,95.933 236.14,94.361 237.056,93.445 238.428,93.445 238.645,93.227 238.645,93.136 J16_Slot8.A1@238.06,92.55
8_DIFF_13_N: J6.I8 J16_Slot8.K1 | length 307.5
  L12 w0.102: J6.I8@5.32,106.55 4.735,107.135 4.735,107.281 5.2,107.747 223.72,107.747 226.291,105.176 226.291,101.555 226.849,100.997 228.283,99.563 229.047,99.563 229.994,100.51 230.569,100.51 231.144,99.935 231.144,99.36 225.638,93.855 225.638,93.09 226.347,92.381 227.112,92.381 232.617,97.887 233.192,97.887 233.767,97.312 233.767,96.737 228.262,91.231 228.262,90.467 228.971,89.758 229.735,89.758 235.241,95.263 235.816,95.263 236.391,94.688 236.391,94.114 230.885,88.608 230.885,87.843 231.594,87.134 232.359,87.134 236.248,91.024 236.823,91.024 236.906,90.94 237.246,90.6 239.32,90.6 250.918,90.6 251.475,91.157 251.475,91.964 J16_Slot8.K1@252.06,92.55
8_DIFF_13_P: J6.H8 J16_Slot8.J1 | length 307.5
  L12 w0.102: J6.H8@3.92,106.55 4.506,107.136 4.506,107.376 5.105,107.976 223.815,107.976 226.52,105.271 226.52,101.65 227.011,101.159 227.078,101.092 228.378,99.792 228.953,99.792 229.899,100.739 230.664,100.739 231.373,100.03 231.373,99.265 225.867,93.76 225.867,93.185 226.442,92.61 227.017,92.61 232.523,98.116 233.287,98.116 233.996,97.407 233.996,96.642 228.491,91.137 228.491,90.562 229.065,89.987 229.64,89.987 235.146,95.492 235.911,95.492 236.62,94.783 236.62,94.019 231.114,88.513 231.114,87.938 231.689,87.363 232.264,87.363 236.153,91.253 236.917,91.253 237.001,91.169 237.068,91.102 237.341,90.829 250.823,90.829 251.245,91.251 251.245,91.964 J16_Slot8.J1@250.66,92.55
8_DIFF_14_N: J6.L8 J16_Slot8.H1 | length 308.1
  L8 w0.12: J6.L8@9.52,106.55 8.955,107.115 8.955,107.307 9.322,107.674 12.115,107.674 12.365,107.674 12.935,108.243 12.935,109.549 13.346,109.96 14.168,109.96 14.579,109.549 14.579,107.2 15.148,106.631 16.193,106.631 16.763,107.2 16.763,109.549 17.174,109.96 17.996,109.96 18.407,109.549 18.407,108.243 18.976,107.674 20.418,107.674 21.681,107.674 23.942,105.413 228.226,105.413 229.477,105.413 230.223,104.667 230.27,104.62 230.27,103.647 230.839,103.078 236.086,103.078 236.497,102.667 236.497,101.845 236.086,101.434 225.087,101.434 224.518,100.865 224.518,99.819 225.087,99.25 236.086,99.25 236.497,98.839 236.497,98.017 236.086,97.606 225.087,97.606 224.518,97.037 224.518,95.991 225.087,95.422 229.859,95.422 230.27,95.011 230.27,94.872 230.27,93.938 231.298,92.91 234.641,92.91 236.191,91.36 236.514,91.037 246.837,91.037 247.16,91.36 247.295,91.495 247.295,91.985 J16_Slot8.H1@247.86,92.55
8_DIFF_14_P: J6.K8 J16_Slot8.G1 | length 308.1
  L8 w0.12: J6.K8@8.12,106.55 8.685,107.115 8.685,107.419 9.21,107.944 12.115,107.944 12.254,107.944 12.665,108.355 12.665,109.66 13.234,110.23 14.279,110.23 14.849,109.66 14.849,107.312 15.26,106.901 16.082,106.901 16.493,107.312 16.493,109.66 17.062,110.23 18.107,110.23 18.677,109.66 18.677,108.355 19.088,107.944 20.418,107.944 21.793,107.944 24.054,105.683 228.338,105.683 229.589,105.683 230.54,104.732 230.54,104.667 230.54,103.759 230.951,103.348 236.198,103.348 236.767,102.778 236.767,101.733 236.198,101.164 225.199,101.164 224.788,100.753 224.788,99.931 225.199,99.52 236.198,99.52 236.767,98.951 236.767,97.905 236.198,97.336 225.199,97.336 224.788,96.925 224.788,96.103 225.199,95.692 229.971,95.692 230.54,95.123 230.54,94.872 230.54,94.05 231.41,93.18 234.753,93.18 234.832,93.101 236.626,91.307 246.725,91.307 247.025,91.607 247.025,91.985 J16_Slot8.G1@246.46,92.55
8_DIFF_15_N: J2.L6 J11_Slot8.F2 | length 307.5
  L6 w0.102: J2.L6@9.52,38.55 9.259,38.55 8.935,38.874 8.935,39.331 9.064,39.46 14.32,39.46 17.234,36.546 83.198,36.546 83.865,35.879 110.085,35.879 113.042,32.921 140.449,32.921 141.92,31.45 143.449,29.921 194.949,29.921 195.82,29.05 196.849,28.021 221.845,28.021 224.645,25.221 225.098,25.221 225.311,25.221 225.852,25.762 225.852,27.024 226.258,27.431 227.071,27.431 227.478,27.024 227.478,23.598 228.018,23.058 229.021,23.058 229.562,23.598 229.562,27.101 229.968,27.507 230.781,27.507 231.188,27.101 231.188,24.803 231.728,24.262 232.731,24.262 233.272,24.803 233.272,27.101 233.678,27.507 234.491,27.507 234.898,27.101 234.898,26.13 235.438,25.589 236.203,25.589 236.693,26.079 237.535,26.921 240.911,26.921 243.94,29.95 244.375,29.95 246.348,29.95 246.754,29.544 246.754,28.205 247.295,27.664 248.298,27.664 248.838,28.205 248.838,30.423 249.245,30.83 250.058,30.83 250.464,30.423 250.464,28.205 251.005,27.664 252.008,27.664 252.548,28.205 252.548,29.544 252.955,29.95 255.24,29.95 255.84,29.95 256.54,29.25 256.54,19.15 256.158,18.768 255.87,18.48 cw(c255.744,18.606) 255.618,18.48 255.511,18.587 ccw(c255.385,18.461) 255.259,18.587 ccw(c255.385,18.461) 255.259,18.336 255.366,18.228 cw(c255.241,18.102) 255.366,17.976 cw(c255.241,18.102) 255.115,17.976 255.007,18.084 ccw(c254.881,17.958) 254.755,18.084 ccw(c254.881,17.958) 254.755,17.832 254.863,17.725 cw(c254.737,17.599) 254.863,17.473 254.434,17.044 254.073,16.683 244.6,16.683 244.374,16.908 244.374,17.226 244.699,17.55 J11_Slot8.F2@244.96,17.55
8_DIFF_15_P: J2.K6 J11_Slot8.E2 | length 307.6
  L6 w0.102: J2.K6@8.12,38.55 8.381,38.55 8.706,38.874 8.706,39.425 8.969,39.689 14.415,39.689 17.329,36.775 83.293,36.775 83.96,36.108 110.18,36.108 113.137,33.15 140.544,33.15 142.244,31.45 143.544,30.15 195.044,30.15 196.144,29.05 196.944,28.25 221.94,28.25 224.74,25.45 225.098,25.45 225.216,25.45 225.623,25.856 225.623,27.119 226.163,27.66 227.166,27.66 227.707,27.119 227.707,23.693 228.113,23.286 228.926,23.286 229.333,23.693 229.333,27.195 229.873,27.736 230.876,27.736 231.417,27.195 231.417,24.898 231.823,24.491 232.636,24.491 233.043,24.898 233.043,27.195 233.583,27.736 234.586,27.736 235.127,27.195 235.127,26.224 235.533,25.818 236.108,25.818 236.693,26.403 237.44,27.15 240.816,27.15 243.845,30.179 244.375,30.179 246.443,30.179 246.983,29.638 246.983,28.299 247.39,27.893 248.203,27.893 248.609,28.299 248.609,30.518 249.15,31.059 250.153,31.059 250.693,30.518 250.693,28.299 251.1,27.893 251.913,27.893 252.319,28.299 252.319,29.638 252.86,30.179 255.24,30.179 255.935,30.179 256.769,29.345 256.769,19.055 254.167,16.454 244.505,16.454 244.146,16.813 244.146,17.226 243.821,17.55 J11_Slot8.E2@243.56,17.55
8_MGT_Rx_N: J5.E3 J11_Slot8.B5 | length 334.1
  Bottom Layer w0.15: J5.E3@-0.18,83.55 -0.754,82.976 -0.754,82.869 -0.563,82.678 11.171,82.678 11.564,82.678 18.382,89.496 143.914,89.496 145.384,88.025 148.077,88.025 148.277,88.025 ccw(c148.277,88.735) 148.987,88.735 148.987,88.841 cw(c149.949,88.841) 149.949,89.803 cw(c149.949,88.841) 150.911,88.841 150.911,86.957 ccw(c151.621,86.957) 151.621,86.247 ccw(c151.621,86.957) 152.331,86.957 152.331,88.841 cw(c153.292,88.841) 153.292,89.803 cw(c153.292,88.841) 154.254,88.841 154.254,86.957 ccw(c154.964,86.957) 154.964,86.247 ccw(c154.964,86.957) 155.674,86.957 155.674,88.841 cw(c156.635,88.841) 156.635,89.803 cw(c156.635,88.841) 157.597,88.841 157.597,86.957 ccw(c158.307,86.957) 158.307,86.247 ccw(c158.307,86.957) 159.017,86.957 159.017,88.841 cw(c159.979,88.841) 159.979,89.803 cw(c159.979,88.841) 160.94,88.841 160.94,86.957 ccw(c161.65,86.957) 161.65,86.247 ccw(c161.65,86.957) 162.36,86.957 162.36,88.841 cw(c163.322,88.841) 163.322,89.803 cw(c163.322,88.841) 164.283,88.841 164.283,86.957 ccw(c164.993,86.957) 164.993,86.247 ccw(c164.993,86.957) 165.703,86.957 165.703,88.841 cw(c166.665,88.841) 166.665,89.803 cw(c166.665,88.841) 167.627,88.841 167.627,86.957 ccw(c168.337,86.957) 168.337,86.247 ccw(c168.337,86.957) 169.047,86.957 169.047,88.841 cw(c170.008,88.841) 170.008,89.803 cw(c170.008,88.841) 170.97,88.841 170.97,86.957 ccw(c171.68,86.957) 171.68,86.247 ccw(c171.68,86.957) 172.39,86.957 172.39,87.063 cw(c173.351,87.063) 173.351,88.025 174.721,88.025 194.845,88.025 202.52,80.35 202.52,40.05 210.48,32.09 226.199,32.09 231.334,26.955 233.574,24.715 238.578,24.715 238.886,24.407 238.886,24.124 J11_Slot8.B5@239.46,23.55